# Altium PCB SFPP.PcbDoc (part 2 of 4)
Units mil, origin at the board's own origin, x right, y up, seen from the top; angles counter-clockwise.
Board outline 3543.31 x 4228.35 mil, 8 copper layers (L1_S1, L2_PGND, L3_S2, L4_P1V2, L5_P1V8, L6_S3, L7_PGND, L8_S4), stack 62.6 mil thick; 267 components, 253 nets, 1402 pads, 830 vias.
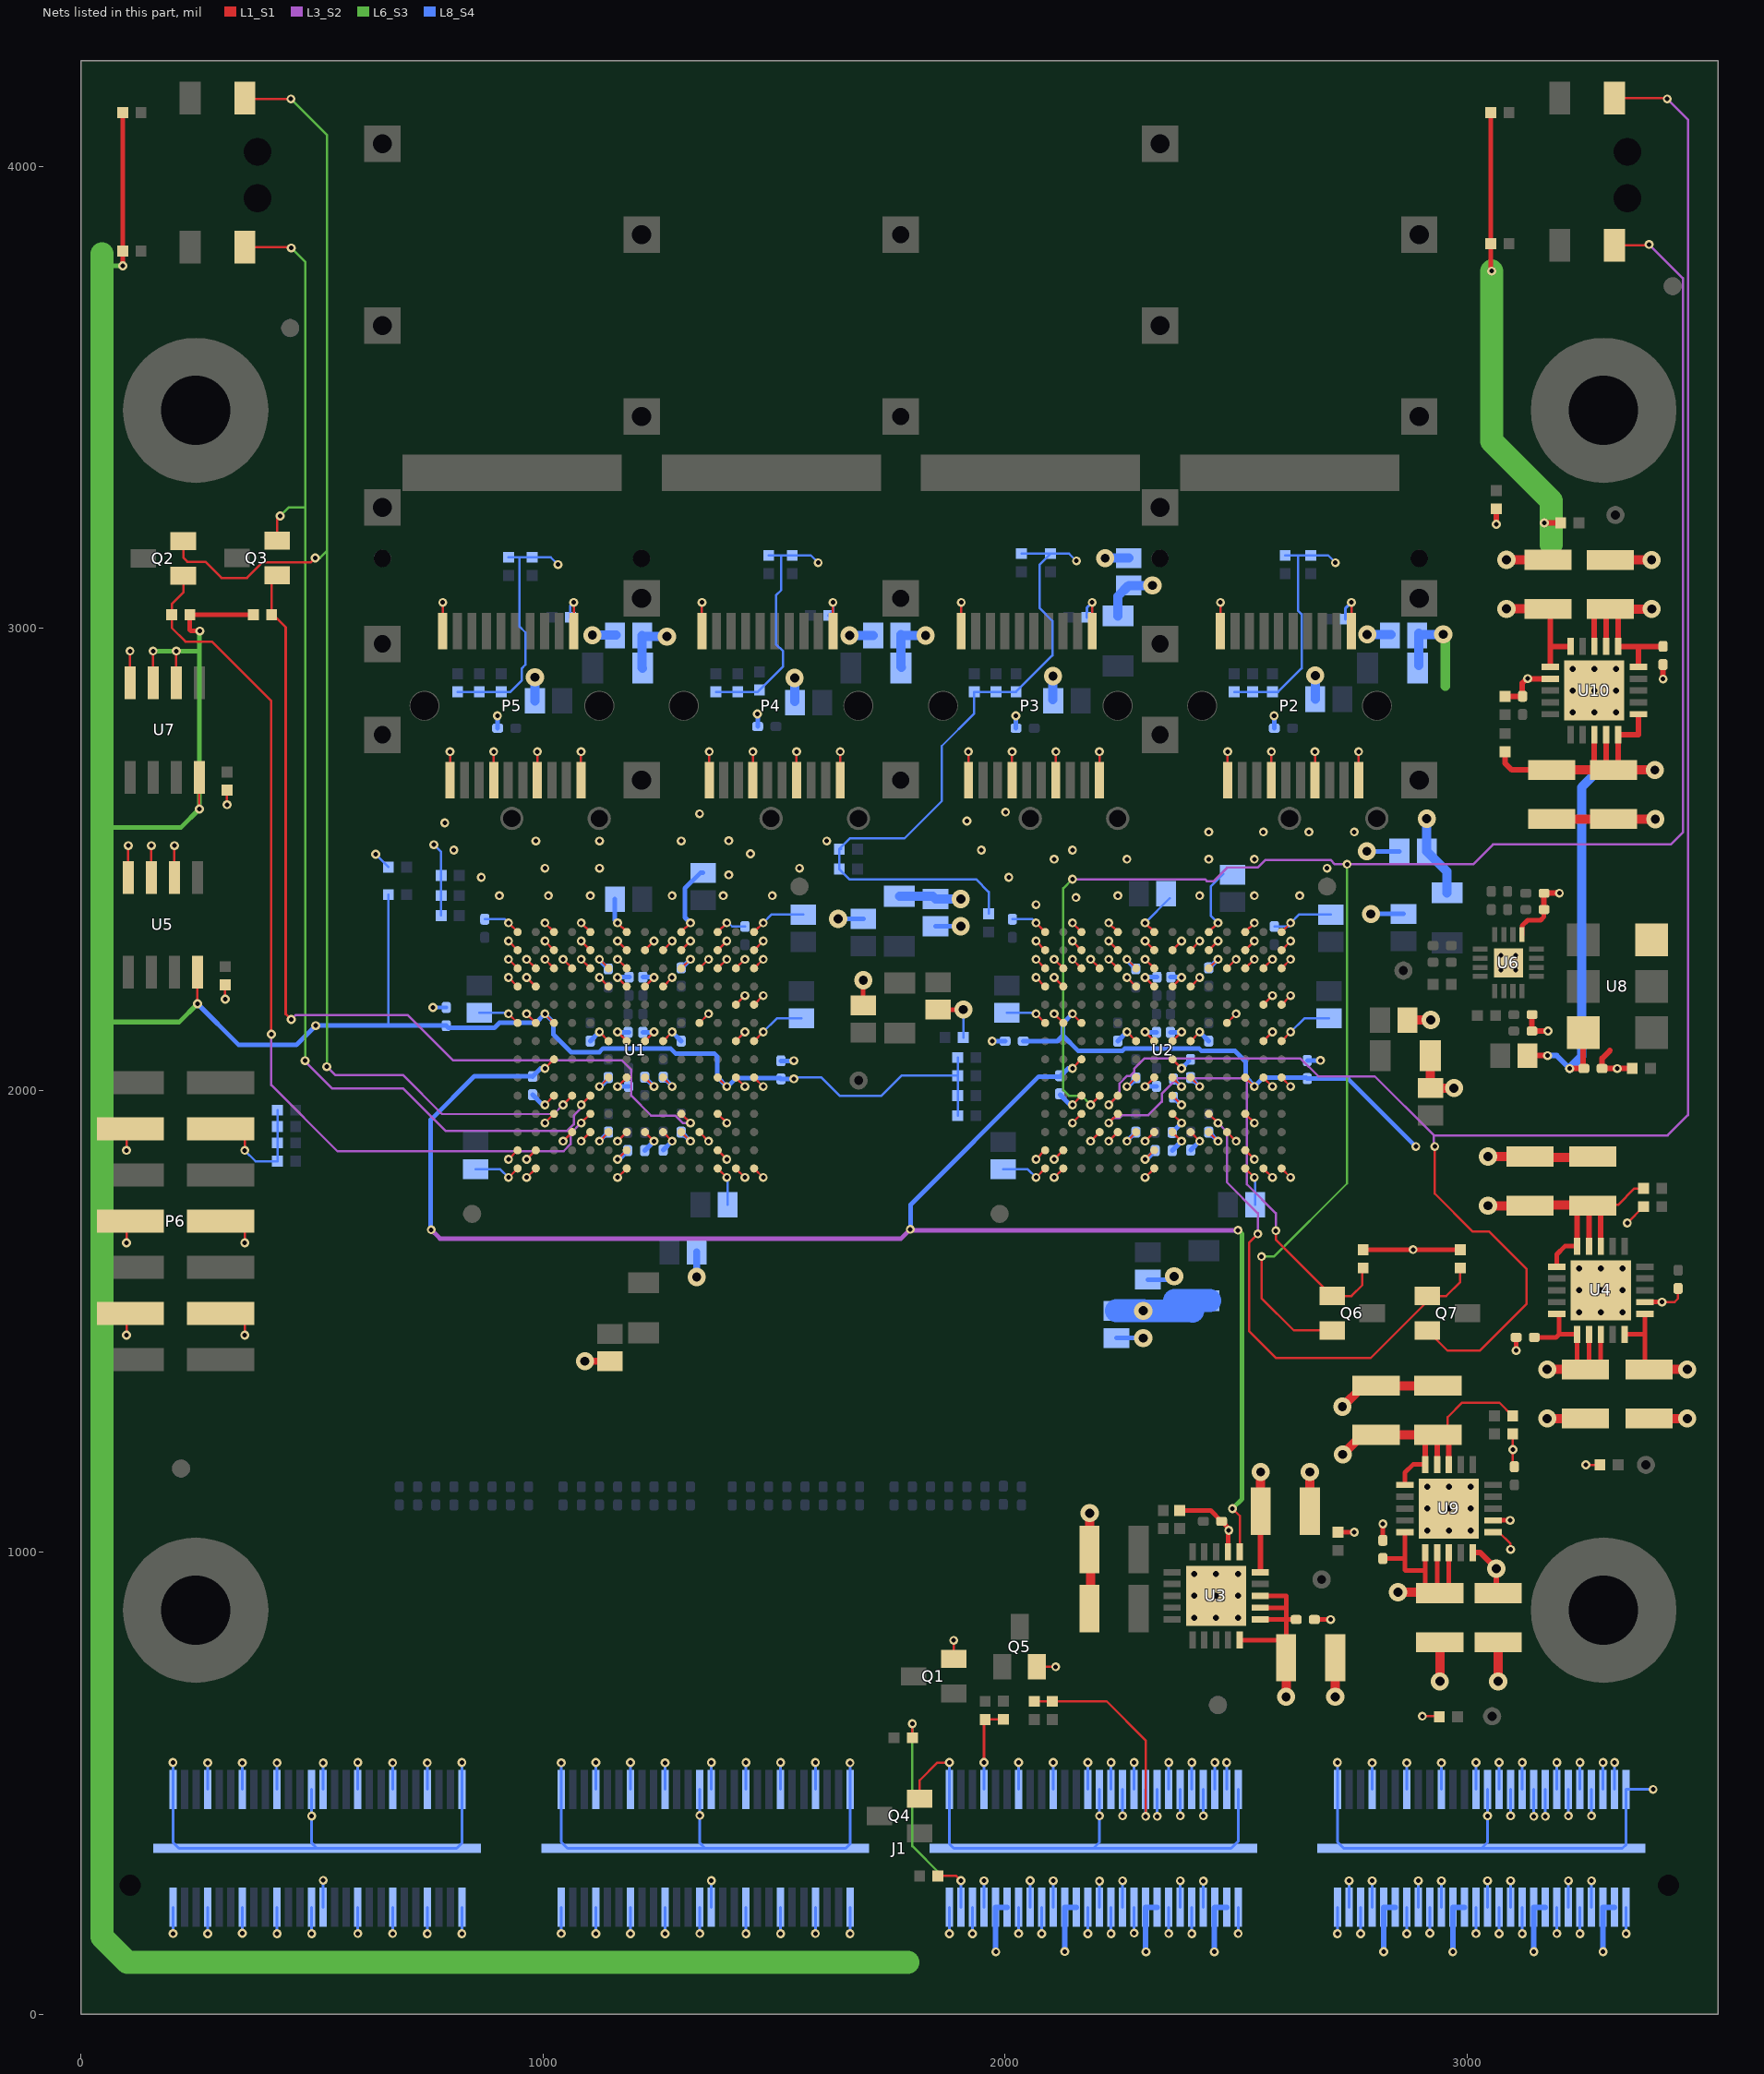
[diagram p8: the nets of this part, all layers, seen from the top]

## Via types
v1: diameter 19.4, hole 10, L1_S1 to L8_S4, tented both sides, 408 vias
v2: diameter 19.4, hole 10, L1_S1 to L8_S4, 170 vias
v3: diameter 19.4, hole 10, L1_S1 to L8_S4, tented bottom, 153 vias
v4: diameter 39.37, hole 19.68, L1_S1 to L8_S4, 44 vias
v5: diameter 25.98, hole 12.99, L1_S1 to L8_S4, tented top, 36 vias
v6: diameter 39.37, hole 19.68, L1_S1 to L8_S4, tented bottom, 11 vias
v7: diameter 20, hole 10, L1_S1 to L8_S4, tented top, 4 vias
v8: diameter 39.37, hole 19.68, L1_S1 to L8_S4, tented top, 2 vias
v9: diameter 19.4, hole 10, L1_S1 to L8_S4, tented top, 1 vias
v10: diameter 39.37, hole 19.68, L1_S1 to L8_S4, tented both sides, 1 vias

## Nets (pads, with @x,y where several pads share a name; then routed paths per layer and width w, separated by ;. In a path a pad name is that pad's centre, name@x,y a point inside that pad or via, vN(x,y) a via of type N, cw(c..) or ccw(c..) an arc to the next point about the centre after c; other vN are vias at no path point) (continued)
1V2_1: C42.2 C58.2 C100.2 C101.2 C102.2 C103.2 C126.2 L4.1 L6.1 R45.2 U2.H4 U2.H5 U2.H7 U9.1 U9.18 U9.19 U9.20 | length 1181
  L1_S1 w5: U2.H4@2362.2,1948.82 v1(2381.89,1929.13) ; U2.H5@2362.2,1988.19 v1(2381.89,1968.5) ; U2.H7@2362.2,2066.93 v1(2381.89,2047.24) ; C42.2@2960.63,1259.84 2957.68,1262.8 2957.68,1292.32 2989.35,1324 3069.7,1324 R45.2@3098.43,1295.28
  L1_S1 w10: U9.1@2865.16,1145.67 2865.16,1172.24 2882.87,1189.96 U9.20@2909.45,1189.96
  L1_S1 w12: U9.20@2909.45,1189.96 C42.2@2909.45,1256.18 ; U9.19@2935.04,1189.96 C42.2@2935.04,1259.84 ; U9.18@2960.63,1189.96 C42.2@2960.63,1259.84
  L1_S1 w19.68: L6.1@2920.61,2072.13 C103.2@2920.61,2004.53 v8(2971.54,2004.53)
  L1_S1 w20: v4(2730.76,1211.76) C126.2@2772,1253 ; C126.2@2803.15,1253.94 C42.2@2923.23,1253.94
  L8_S4 w10: C101.2@2361.73,1908.69 2381.89,1928.84 v1(2381.89,1929.13) ; C100.2@2364.33,1984.94 v1@2380.77,1968.5 ; v1@2381.33,2046.69 v1(2381.89,2047.24) C102.2@2398.33,2063.69
  L8_S4 w50: C58.2@2241,1522.53 v4(2298.89,1522.53) L4.1@2406,1522 ; 2367.19,1544.35 L4.1@2443,1544.35
1V5: C34.2 C35.2 C60.2 C91.2 C124.2 C125.2 J1.C27 J1.C28 J1.C31 J1.C32 J1.D27 J1.D28 J1.D31 J1.D32 R7.2 R8.2 U1.C7 U2.C7 U3.5 U3.6 U3.7 U3.8 U3.11 U9.5 U9.6 U9.7 U9.8 U9.11 | length 5626.5
  L1_S1 w5: v1(1003.94,2047.24) U1.C7@1023.62,2066.93 ; R7.2@2062.99,677.17 R8.2@2102.36,677.17 2219.83,677.17 2304.29,592.71 v1(2304.29,428.29) ; v1(2145.67,2047.24) U2.C7@2165.35,2066.93 ; v2(2492.13,1094.49) 2507.87,1078.74 U3.11@2507.87,1000.98 ; U9.11@3056.1,1043.31 3068.69,1043.31 3094,1018 v2@3094,1005
  L1_S1 w10: U3.5@2507.87,810.04 C34.2@2608.27,810.04 ; U3.6@2552.17,854.33 2608.27,854.33 ; U3.7@2552.17,879.92 2608.27,879.92 ; U3.8@2552.17,905.51 2608.27,905.51 2608.27,879.92 ; C34.2@2608.27,771.65 2608.27,854.33 ; C34.2@2624.02,787.4 C34.2@2624.02,816.93 ; C35.2@2629.92,854.33 2608.27,854.33 ; C125.2@2817.63,986.31 2863.84,986.31 ; U9.5@2865.16,1043.31 2865.16,961.84 2866.37,960.63 2909.45,960.63 ; C124.2@2909.45,913.39 U9.6@2909.45,999.02 ; C124.2@2935.04,913.39 U9.7@2935.04,999.02 ; C124.2@2960.63,913.39 U9.8@2960.63,999.02 ; 2608.27,854.33 2608.27,879.92
  L1_S1 w20: C34.2@2606.3,773.62 C34.2@2608.27,771.65 v4(2608.27,687.01) ; v4(2850.39,913.39) C124.2@2935.04,913.39
  L3_S2 w10: v2@764.07,1691.93 v2(758,1698) 777,1679 1775,1679 v2(1795,1699) 1797,1697 v2(2504,1697)
  L6_S3 w10: v2(2492.13,1094.49) 2513,1115.36 2513,1689 2503,1699 2503,1698 v2(2504,1697)
  L8_S4 w6: v1(2304.29,428.29) J1.C27@2304.29,486.5 ; v1(2329.29,428.29) J1.C28@2329.29,486.5 ; J1.C31@2454.29,486.5 v1(2454.29,544.71) ; J1.C32@2479.29,486.5 v1(2479.29,544.71) ; v1(3144.29,428.29) J1.D27@3144.29,486.5 ; v1(3169.29,428.29) J1.D28@3169.29,486.5 ; J1.D31@3294.29,486.5 v1(3294.29,544.71) ; J1.D32@3319.29,486.5 v1(3319.29,544.71)
  L8_S4 w10: v2@757,1698 757,1936 851.69,2030.69 C60.2@976,2030.69 ; C60.2@977.27,2029.69 994.83,2047.25 v1(1003.94,2047.24) ; v2@1796,1698 1796,1752.69 2072.99,2029.69 2119,2029.69 2136.56,2047.24 v1(2145.67,2047.24)
  other v2: 3094,1006
1V8: C43.2 C47.2 C73.2 C94.2 L2.1 L5.1 R5.2 U4.1 U4.18 U4.19 U4.20 | length 950.4
  L1_S1 w5: C73.2@3265.75,1751.97 3326.77,1751.97 3362.2,1787.4 R5.2@3381.89,1787.4
  L1_S1 w10: U4.1@3193.9,1618.11 3193.9,1644.69 3211.61,1662.4 U4.20@3238.19,1662.4
  L1_S1 w12: U4.20@3238.19,1662.4 C73.2@3238.19,1728.62 ; U4.19@3263.78,1662.4 C73.2@3263.78,1732.28 ; U4.18@3289.37,1662.4 C73.2@3289.37,1732.28
  L1_S1 w20: v4(3045.28,1750) C43.2@3135.83,1750 3137.8,1751.97 C73.2@3265.75,1751.97
  L8_S4 w10: C47.2@1843.55,2419.87 C47.2@1849.43,2413.99
  L8_S4 w20: L2.1@1771.39,2419.87 C47.2@1843.55,2419.87 ; C47.2@1849.43,2413.99 v4(1904.14,2413.99) ; v4(2912.53,2587.82) C94.2@2912.53,2517.2 2956.36,2473.37 L5.1@2956.36,2427.09
2V5: C141.2 C145.2 C146.2 L11.1 R67.2 U8.6 U10.1 U10.18 U10.19 U10.20 | length 1614.6
  L1_S1 w12: R67.2@3082,2732.75 3082,2708 3096.85,2693.15 C145.2@3183,2693.15 ; L11.1@3130.59,2074.96 v2(3173.96,2074.96) ; v2(3222,2047) 3222.04,2046.96 C141.2@3252.7,2046.96 3251.18,2048.48 U8.6@3251.18,2125 ; U10.18@3275.32,2769.53 3275.32,2693.83 C146.2@3276,2693.15 ; C146.2@3300.91,2709.24 U10.19@3300.91,2769.53 ; C146.2@3326.5,2702.65 U10.20@3326.5,2769.53 3326.81,2769.21 3370.79,2769.21 U10.1@3370.79,2813.82
  L1_S1 w20: C145.2@3183,2693.15 C146.2@3276,2693.15 ; C146.2@3317,2693.15 v4(3406.15,2693.15)
  L3_S2 w12: v2@3220,2047 v2(3222,2047)
  L8_S4 w12: v2(3173.96,2074.96) 3194.04,2074.96 v2(3222,2047)
  L8_S4 w20: v2(3222,2047) 3248,2073 3248,2656 3285.15,2693.15 v4(3406.15,2693.15)
3V3: C37.2 C39.2 C40.2 C41.2 C69.2 C70.2 C84.2 C92.2 C93.2 C127.2 C132.2 C135.2 C138.2 C142.2 C143.2 C144.2 J1.C3 J1.C4 J1.C7 J1.C8 J1.C11 J1.C12 J1.C15 J1.C16 J1.D3 J1.D4 J1.D7 J1.D8 J1.D11 J1.D12 J1.D15 J1.D16 L7.2 L8.2 L9.2 L10.2 R1.2 R4.2 R14.2 R15.2 R20.2 R21.2 R22.2 R23.2 R24.2 R25.2 R28.2 R29.2 R30.2 R31.2 R32.2 R33.2 R36.2 R37.2 R38.2 R39.2 R41.2 R42.2 R43.2 R44.2 R47.2 R48.2 R49.2 R50.2 R51.2 R57.2 R58.2 R59.2 R60.2 R61.2 R62.2 R63.2 R66.2 R70.2 R71.2 R72.2 R73.2 U1.C9 U1.M6 U2.C9 U2.M6 U3.10 U4.5 U4.6 U4.7 U4.8 U4.10 U4.11 U5.8 U7.2 U7.3 U7.8 U9.10 U10.5 U10.6 U10.7 U10.8 U10.10 U10.11 | length 18895.3
  L1_S1 w5: U7.3@156.1,2881.89 v2(156.1,2950.59) ; U7.2@206.1,2881.89 v2(206.1,2950.59) ; v2(252.17,2187.2) U5.8@252.17,2255.91 ; v2(256.1,2608.46) U7.8@256.1,2677.17 ; v1(1003.94,2165.36) U1.C9@1023.62,2145.67 ; U1.M6@1377.95,2027.56 v1(1397.64,2007.87) ; R14.2@1799.21,598.43 v2(1799.21,628.94) ; v1(2145.67,2165.36) U2.C9@2165.35,2145.67 ; U2.M6@2519.68,2027.56 v1(2539.37,2007.87) ; v2(2903,645) R44.2@2938.8,645 ; v2(3256.89,1188.98) R4.2@3287.4,1188.98
  L1_S1 w10: v2(90.55,3784.55) R37.2@90.55,3816.54 R36.2@90.55,4115.75 ; v2(257,2994) 238.37,2994 235.69,2996.69 R70.2@235.69,3029 R71.2@373.31,3029 ; R1.2@2720.47,1043.31 v2(2755.91,1043.31) ; R72.2@2775,1654.69 R73.2@2985,1654.69 ; R39.2@3051.18,4115.75 R38.2@3051.18,3832.28 3051.18,3774.82 v2(3053,3773) ; C41.2@3145.48,1464.57 3191.92,1464.57 3198.81,1471.46 ; U4.5@3193.9,1515.75 3198.81,1510.83 3198.81,1471.46 ; C39.2@3238.19,1385.83 U4.6@3238.19,1471.46 3198.81,1471.46 ; C39.2@3263.78,1385.83 U4.7@3263.78,1471.46 ; C39.2@3289.37,1385.83 U4.8@3289.37,1471.46 ; U4.10@3340.55,1471.46 3384.84,1471.46 ; U4.11@3384.84,1515.75 3384.84,1471.46 ; C40.2@3385.83,1395.67 3384.84,1396.65 3384.84,1471.46
  L1_S1 w12: U3.10@2552.17,956.69 2553.15,957.68 C37.2@2553.15,1089 ; U9.10@3011.81,999.02 3028.54,999.02 v4(3062.99,964.57) C127.2@3062.99,911.42 ; v2(3167.01,3228.01) R66.2@3202.31,3228 ; U10.11@3179.84,2916.18 3179.84,2959.84 ; C143.2@3179.84,3037.01 3179.84,2959.84 ; U10.10@3223.5,2959.84 3179.84,2959.84 ; U10.8@3275.32,2960.47 3275.32,3029.31 3287.54,3041.54 C142.2@3310,3041.54 ; U10.7@3300.91,2960.47 C142.2@3300.91,3032.44 ; C142.2@3326.5,3025.04 U10.6@3326.5,2960.47 C144.2@3423.79,2960.47 ; U10.5@3370.79,2916.18 3370.79,2960.26
  L1_S1 w20: C37.2@2553.15,1089 v4(2553.15,1173.65) ; v4(3085.15,3041.85) C143.2@3175,3041.85 ; v4(3173.23,1395.67) C39.2@3263.78,1395.67 ; C142.2@3310,3041.54 v4(3399.54,3041.54) ; C40.2@3385.83,1395.67 v4(3476.38,1395.67)
  L6_S3 w5: v2(1799.21,628.94) 1799.21,363.79 1861,302
  L6_S3 w10: 41.34,2147.64 45.28,2147.64 212.6,2147.64 v2(252.17,2187.2) ; 45.28,2568.9 216.54,2568.9 v2(256.1,2608.46) v2@256.1,2994 ; 45.28,3781 48.83,3784.55 v2(90.55,3784.55) ; v2(156.1,2950.59) v2(206.1,2950.59) 255.41,2950.59
  L6_S3 w20: 2952.76,2874.02 v6@2952.76,2992.13
  L6_S3 w50: 45.28,3810 45.28,3781 45.28,2568.9 45.28,2147.64 45.28,167.32 100.39,112.2 1789.37,112.2 ; v2@3053.15,3772.85 3053.15,3404.85 3182,3276 3182,3181
  L8_S4 w5: 665.35,2139.76 R15.2@665.35,2423.5 ; R30.2@814.96,2862.2 929.2,2862.2 954.1,2887.1 954.1,2913.28 962,2921.18 962,2990.76 948.82,3003.94 948.82,3153.54 ; R42.2@925.2,3153.54 948.82,3153.54 ; v2(1032.37,3137.71) 1016.54,3153.54 R41.2@976.38,3153.54 948.82,3153.54 ; R28.2@1374.02,2862.2 1464.57,2862.2 1519.65,2917.29 1519.65,2949.89 1503.94,2965.61 1503.94,3070.87 1515.75,3082.68 1515.75,3157.48 ; R47.2@1488.19,3157.48 1515.75,3157.48 ; v3@1543.31,2027.56 1602.36,2027.56 1641.73,1988.19 1732.28,1988.19 1775.59,2031.5 R58.2@1897.64,2031.5 ; v2(1595.37,3141.64) 1579.53,3157.48 R43.2@1539.37,3157.48 1515.75,3157.48 ; R62.2@1644.77,2522 R62.2@1641.05,2522 ; R63.2@1897.64,1944.88 R57.2@1897.64,1988.19 R58.2@1897.64,2031.5 ; R59.2@1897.64,2070.87 R58.2@1897.64,2031.5 ; R61.2@1964.57,2381.89 1964.57,2429.13 1937.01,2456.69 1663.05,2456.69 R60.2@1641.05,2478.69 R62.2@1641.05,2522 ; R49.2@2035.43,3161.42 R48.2@2098.43,3161.42 ; v2(2154.42,3145.58) 2138.58,3161.42 R48.2@2098.43,3161.42 ; R22.2@2496.06,2862.2 R25.2@2578.74,2862.2 2590.9,2862.2 2641.7,2913 2641.7,3030.3 2634,3038 2634,3156.48 2635,3157.48 ; R51.2@2606.3,3157.48 2699.16,3157.48 v2(2715,3141.64) ; R62.2@1641.05,2522 1664.05,2545 1782,2545 1863,2626 1863,2745 1933.07,2815.07 R20.2@1933.07,2862.2 R24.2@2023.62,2862.2 2102.36,2940.94 2102.36,3015.75 2074.8,3043.31 2074.8,3137.8 R48.2@2098.43,3161.42
  L8_S4 w10: v2(252.17,2187.2) 341.37,2098 466.11,2098 v1(507.87,2139.76) 665.35,2139.76 C70.2@790.38,2139.76 795.47,2134.67 894.51,2134.67 905.51,2145.67 984.25,2145.67 v1(1003.94,2165.36) 1022.64,2146.66 1022.64,2120.21 1060.17,2082.68 1122.05,2082.68 1129.92,2090.55 1275.59,2090.55 1287.4,2078.74 1371.26,2078.74 1376.97,2073.03 1376.97,2028.54 v1(1397.64,2007.87) 1399.61,2007.87 1418.31,2026.57 1512.74,2026.57 1515,2024.31 1542.68,2024.31 v3(1543,2024.63) ; C93.2@2039.37,2106.3 2113.06,2106.3 2125,2118.24 ; v1(2145.67,2165.36) 2125,2144.69 2125,2118.24 ; C92.2@2652,2027 2558.5,2027 v1(2539.37,2007.87) 2539.37,2009.84 2520.67,2028.54 2520.67,2062.01 2497.89,2084.79 2425.2,2084.79 2419.43,2090.55 2259.47,2090.55 2254.42,2085.5 2157.73,2085.5 2125,2118.24 ; C92.2@2654,2025 2742,2025 v2(2889,1878)
  L8_S4 w12: v3(1980,135) 1979.29,135.71 J1.C3@1979.29,231.5 J1.C4@2004.29,231.5 ; v3(2129.29,135.71) J1.C7@2129.29,231.5 J1.C8@2154.29,231.5 ; v3(2305,135) 2304.29,135.71 J1.C11@2304.29,231.5 J1.C12@2329.29,231.5 ; v3(2453,135) 2453,230.21 J1.C15@2454.29,231.5 J1.C16@2479.29,231.5 ; v3(2819.29,135.29) J1.D3@2819.29,231.5 J1.D4@2844.29,231.5 ; v3(2969,135) 2969.29,135.29 J1.D7@2969.29,231.5 J1.D8@2994.29,231.5 ; v3(3144.29,135.29) J1.D11@3144.29,231.5 J1.D12@3169.29,231.5 ; v3(3294.29,135.29) J1.D15@3294.29,231.5 J1.D16@3319.29,231.5
  L8_S4 w20: L7.2@1215.55,2913.39 1214.57,2914.37 C84.2@1214.57,2984.25 1216.82,2982 v6(1268,2982) ; L10.2@1775.59,2915.71 1774.61,2916.69 1774.61,2986.57 1776.86,2984.32 v6(1828.04,2984.32) ; L8.2@2244.09,3026.57 2244.09,3068.9 C132.2@2267.72,3092.52 v6(2318.9,3092.52) ; L9.2@2895,2919 2895,2988.88 2897.25,2986.63 v6(2948.43,2986.63)
  other v2: 2883,1655
GND: C33.1 C34.1 C35.1 C36.1 C37.1 C38.1 C39.1 C40.1 C41.1 C42.1 C43.1 C44.1 C45.1 C46.1 C47.1 C48.1 C49.1 C50.1 C51.1 C52.1 C53.1 C54.1 C55.1 C56.1 C57.1 C58.1 C59.1 C60.1 C61.1 C62.1 C63.1 C64.1 C65.1 C66.1 C67.1 C68.1 C69.1 C70.1 C71.2 C72.2 C73.1 C74.2 C75.2 C76.2 C77.2 C78.2 C79.1 C80.1 C82.1 C83.1 C84.1 C85.1 C86.1 C87.1 C88.1 C89.1 C90.1 C91.1 C92.1 C93.1 C94.1 C95.1 C96.1 C97.1 C98.1 C99.1 C100.1 C101.1 C102.1 C104.1 C105.1 C106.1 C107.1 C108.1 C109.1 C110.1 C111.1 C112.2 C113.2 C114.1 C115.2 C116.2 C117.2 C118.2 C119.2 C120.1 C121.1 C123.1 C124.1 C125.1 C126.1 C127.1 C128.1 C129.1 C130.1 C131.1 C132.1 C133.1 C134.1 C135.1 C136.1 C137.1 C138.1 C141.1 C142.1 C143.1 C144.1 C145.1 C146.1 C147.1 J1.AG1 J1.AG2 J1.AG3 J1.AG4 J1.AG5 J1.AG6 J1.AG7 J1.AG8 J1.AG9 J1.AG10 J1.AG11 J1.AG12 J1.AG13 J1.AG14 J1.AG15 J1.AG16 J1.AG17 J1.AG18 J1.AG19 J1.AG20 J1.AGND J1.BG1 J1.BG2 J1.BG3 J1.BG4 J1.BG5 J1.BG6 J1.BG7 J1.BG8 J1.BG9 J1.BG10 J1.BG11 J1.BG12 J1.BG13 J1.BG14 J1.BG15 J1.BG16 J1.BG17 J1.BG18 J1.BG19 J1.BG20 J1.BGND J1.C1 J1.C2 J1.C5 J1.C6 J1.C9 J1.C10 J1.C13 J1.C14 J1.C25 J1.C26 J1.C29 J1.C30 J1.CG1 J1.CG2 J1.CG3 J1.CG4 J1.CG5 J1.CG6 J1.CG7 J1.CG8 J1.CG9 J1.CG10 J1.CG11 J1.CG12 J1.CG13 J1.CG14 J1.CG15 J1.CG16 J1.CG17 J1.CG18 J1.CG19 J1.CG20 J1.CGND J1.D1 J1.D2 J1.D5 J1.D6 J1.D9 J1.D10 J1.D13 J1.D14 J1.D25 J1.D26 J1.D29 J1.D30 J1.DG1 J1.DG2 J1.DG3 J1.DG4 J1.DG5 J1.DG6 J1.DG7 J1.DG8 J1.DG9 J1.DG10 J1.DG11 J1.DG12 J1.DG13 J1.DG14 J1.DG15 J1.DG16 J1.DG17 J1.DG18 J1.DG19 J1.DG20 J1.DGND P2.1 P2.10 P2.11 P2.14 P2.17 P2.20 P3.1 P3.10 P3.11 P3.14 P3.17 P3.20 P4.1 P4.10 P4.11 P4.14 P4.17 P4.20 P5.1 P5.10 P5.11 P5.14 P5.17 P5.20 P6.3 P6.4 P6.7 P6.8 P6.11 P6.12 Q1.2 Q4.2 Q5.2 R3.1 R6.1 R9.1 R10.1 R11.1 R12.1 R13.1 R16.2 R17.2 R18.1 R19.2 R26.1 R27.1 R34.1 R35.1 R40.1 R46.1 R52.2 R53.2 R54.2 R55.2 R56.2 R65.1 R68.1 U1.A1 U1.A2 U1.A9 U1.A11 U1.A12 U1.A13 U1.A14 U1.B1 U1.B2 U1.B9 U1.B11 U1.B12 U1.C4 U1.C5 U1.C12 U1.C13 U1.C14 U1.D3 U1.D12 U1.E3 U1.E12 U1.E13 U1.E14 U1.F3 U1.F6 U1.F8 U1.F11 U1.F12 U1.G1 U1.G2 U1.G3 U1.G6 U1.G8 U1.G11 U1.G12 U1.G13 U1.G14 U1.H3 U1.H6 U1.H8 U1.H11 U1.H13 U1.J3 U1.J6 U1.J8 U1.J11 U1.J13 U1.K3 U1.K12 U1.K13 U1.K14 U1.L3 U1.L9 U1.L12 U1.M1 U1.M2 U1.M4 U1.M12 U1.M13 U1.M14 U1.N1 U1.N6 U1.N8 U1.N10 U1.N12 U1.P1 U1.P6 U1.P8 U1.P10 U1.P12 U1.P13 U1.P14 U2.A1 U2.A2 U2.A9 U2.A11 U2.A12 U2.A13 U2.A14 U2.B1 U2.B2 U2.B9 U2.B11 U2.B12 U2.C4 U2.C5 U2.C12 U2.C13 U2.C14 U2.D3 U2.D12 U2.E3 U2.E12 U2.E13 U2.E14 U2.F3 U2.F6 U2.F8 U2.F11 U2.F12 U2.G1 U2.G2 U2.G3 U2.G6 U2.G8 U2.G11 U2.G12 U2.G13 U2.G14 U2.H3 U2.H6 U2.H8 U2.H11 U2.H13 U2.J3 U2.J6 U2.J8 U2.J11 U2.J13 U2.K3 U2.K12 U2.K13 U2.K14 U2.L3 U2.L9 U2.L12 U2.M1 U2.M2 U2.M4 U2.M12 U2.M13 U2.M14 U2.N1 U2.N6 U2.N8 U2.N10 U2.N12 U2.P1 U2.P6 U2.P8 U2.P10 U2.P12 U2.P13 U2.P14 U3.12 U3.21 U4.12 U4.21 U5.2 U5.3 U5.4 U6.13 U6.17 U7.4 U8.3 U9.12 U9.21 U10.12 U10.21 | length 23325.6
  L1_S1 w5: v2(98.43,1469.68) P6.4@98.43,1513.78 ; v2(98.43,1669.68) P6.8@98.43,1713.78 ; v2(98.43,1869.68) P6.12@98.43,1913.78 ; U5.4@102.17,2460.63 v2(102.17,2529.33) ; U7.4@106.1,2881.89 v2(106.1,2950.59) ; U5.3@152.17,2460.63 v2(152.17,2529.33) ; U5.2@202.17,2460.63 v2(202.17,2529.33) ; v2(312.02,2196.98) R12.1@312.02,2228.28 ; v2(316,2618) R40.1@316,2649.32 ; v2(354.33,1469.68) P6.3@354.33,1513.78 ; v2(354.33,1669.68) P6.7@354.33,1713.78 ; v2(354.33,1869.68) P6.11@354.33,1913.78 ; P5.10@782.95,2993.7 v2(782.95,3055.71) ; P5.11@798.7,2670.87 v2(798.7,2732.87) ; P5.14@893.18,2670.87 v2(893.18,2732.87) ; v1(925.2,1811.02) U1.A1@944.88,1830.71 ; v1(925.2,1850.39) U1.A2@944.88,1870.08 ; v1(925.2,2165.36) U1.A9@944.88,2145.67 ; v1(925.2,2244.1) U1.A11@944.88,2224.41 ; v1(925.2,2283.47) U1.A12@944.88,2263.78 ; v1(925.2,2322.84) U1.A13@944.88,2303.15 ; v1(925.2,2362.21) U1.A14@944.88,2342.52 ; v1(964.57,1811.02) U1.B1@984.25,1830.71 ; v1(964.57,1850.39) U1.B2@984.25,1870.08 ; v1(964.57,2165.36) U1.B9@984.25,2145.67 ; v1(964.57,2244.1) U1.B11@984.25,2224.41 ; v1(964.57,2283.47) U1.B12@984.25,2263.78 ; P5.17@987.67,2670.87 v2(987.67,2732.87) ; v1(1003.94,1929.13) U1.C4@1023.62,1948.82 ; v1(1003.94,1968.5) U1.C5@1023.62,1988.19 ; v1(1003.94,2283.47) U1.C12@1023.62,2263.78 ; v1(1003.94,2322.84) U1.C13@1023.62,2303.15 ; v1(1003.94,2362.21) U1.C14@1023.62,2342.52 ; v1(1043.31,1889.76) U1.D3@1062.99,1909.45 ; v1(1043.31,2283.47) U1.D12@1062.99,2263.78 ; P5.1@1066.41,2993.7 v2(1066.41,3055.71) ; P5.20@1082.16,2670.87 v2(1082.16,2732.87) ; v1(1082.68,1889.76) U1.E3@1102.36,1909.45 ; v1(1082.68,2283.47) U1.E12@1102.36,2263.78 ; v1(1082.68,2322.84) U1.E13@1102.36,2303.15 ; v1(1082.68,2362.21) U1.E14@1102.36,2342.52 ; v1(1122.05,1889.76) U1.F3@1141.73,1909.45 ; v1(1122.05,2007.87) U1.F6@1141.73,2027.56 ; v1(1122.05,2125.99) U1.F8@1141.73,2106.3 ; v1(1122.05,2244.1) U1.F11@1141.73,2224.41 ; v1(1122.05,2283.47) U1.F12@1141.73,2263.78 ; v1(1161.42,1811.02) U1.G1@1181.1,1830.71 ; v1(1161.42,1850.39) U1.G2@1181.1,1870.08 ; v1(1161.42,1889.76) U1.G3@1181.1,1909.45 ; v1(1161.42,2007.87) U1.G6@1181.1,2027.56 ; v1(1161.42,2125.99) U1.G8@1181.1,2106.3 ; v1(1161.42,2244.1) U1.G11@1181.1,2224.41 ; v1(1161.42,2283.47) U1.G12@1181.1,2263.78 ; v1(1161.42,2322.84) U1.G13@1181.1,2303.15 ; v1(1161.42,2362.21) U1.G14@1181.1,2342.52 ; U1.H3@1220.47,1909.45 v1(1240.16,1889.76) ; U1.H6@1220.47,2027.56 v1(1240.16,2007.87) ; U1.H8@1220.47,2106.3 v1(1240.16,2125.99) ; U1.H11@1220.47,2224.41 v1(1240.16,2244.1) ; U1.H13@1220.47,2303.15 v1(1240.16,2322.84) ; U1.J3@1259.84,1909.45 v1(1279.53,1889.76) ; U1.J6@1259.84,2027.56 v1(1279.53,2007.87) ; U1.J8@1259.84,2106.3 v1(1279.53,2125.99) ; U1.J11@1259.84,2224.41 v1(1279.53,2244.1) ; U1.J13@1259.84,2303.15 v1(1279.53,2322.84) ; U1.K3@1299.21,1909.45 v1(1318.9,1889.76) ; U1.K12@1299.21,2263.78 v1(1318.9,2283.47) ; U1.K13@1299.21,2303.15 v1(1318.9,2322.84) ; U1.K14@1299.21,2342.52 v1(1318.9,2362.21) ; U1.L3@1338.58,1909.45 v1(1358.27,1889.76) ; U1.L9@1338.58,2145.67 v1(1358.27,2165.36) ; U1.L12@1338.58,2263.78 v1(1358.27,2283.47) ; P4.10@1343.97,2993.7 v2(1343.97,3055.71) ; P4.11@1359.72,2670.87 v2(1359.72,2732.87) ; U1.M1@1377.95,1830.71 v1(1397.64,1811.02) ; U1.M2@1377.95,1870.08 v1(1397.64,1850.39) ; U1.M4@1377.95,1948.82 v1(1397.64,1929.13) ; U1.M12@1377.95,2263.78 v1(1397.64,2283.47) ; U1.M13@1377.95,2303.15 v1(1397.64,2322.84) ; U1.M14@1377.95,2342.52 v1(1397.64,2362.21) ; U1.N1@1417.32,1830.71 v1(1437.01,1811.02) ; U1.N6@1417.32,2027.56 v1(1437.01,2007.87) ; U1.N8@1417.32,2106.3 v1(1437.01,2125.99) ; U1.N10@1417.32,2185.04 v1(1437.01,2204.73) ; U1.N12@1417.32,2263.78 v1(1437.01,2283.47) ; P4.14@1454.21,2670.87 v2(1454.21,2732.87) ; U1.P1@1456.69,1830.71 v1(1476.38,1811.02) ; U1.P6@1456.69,2027.56 v1(1476.38,2007.87) ; U1.P8@1456.69,2106.3 v1(1476.38,2125.99) ; U1.P10@1456.69,2185.04 v1(1476.38,2204.73) ; U1.P12@1456.69,2263.78 v1(1476.38,2283.47) ; U1.P13@1456.69,2303.15 v1(1476.38,2322.84) ; U1.P14@1456.69,2342.52 v1(1476.38,2362.21) ; P4.17@1548.7,2670.87 v2(1548.7,2732.87) ; P4.1@1627.44,2993.7 v2(1627.44,3055.71) ; P4.20@1643.18,2670.87 v2(1643.18,2732.87) ; Q4.2@1814.96,466.54 1814.96,505.96 1853.71,544.71 v3(1879.29,544.71) ; R11.1@1854.33,299.21 1894.36,299.21 v3(1904.29,289.29) ; Q1.2@1888.68,768.87 v2(1888.68,809.39) ; P3.10@1905,2993.7 v2(1905,3055.71) ; P3.11@1920.74,2670.87 v2(1920.74,2732.87) ; R10.1@1956.69,637.8 R9.1@1995.48,637.8 ; P3.14@2015.23,2670.87 v2(2015.23,2732.87) ; v1(2066.93,1811.02) U2.A1@2086.61,1830.71 ; v1(2066.93,1850.39) U2.A2@2086.61,1870.08 ; v1(2066.93,2165.36) U2.A9@2086.61,2145.67 ; v1(2066.93,2244.1) U2.A11@2086.61,2224.41 ; v1(2066.93,2283.47) U2.A12@2086.61,2263.78 ; v1(2066.93,2322.84) U2.A13@2086.61,2303.15 ; v1(2066.93,2362.21) U2.A14@2086.61,2342.52 ; Q5.2@2068.9,751.97 v2(2109.41,751.97) ; v1(2106.3,1811.02) U2.B1@2125.98,1830.71 ; v1(2106.3,1850.39) U2.B2@2125.98,1870.08 ; v1(2106.3,2165.36) U2.B9@2125.98,2145.67 ; v1(2106.3,2244.1) U2.B11@2125.98,2224.41 ; v1(2106.3,2283.47) U2.B12@2125.98,2263.78 ; P3.17@2109.72,2670.87 v2(2109.72,2732.87) ; v1(2145.67,1929.13) U2.C4@2165.35,1948.82 ; v1(2145.67,1968.5) U2.C5@2165.35,1988.19 ; v1(2145.67,2283.47) U2.C12@2165.35,2263.78 ; v1(2145.67,2322.84) U2.C13@2165.35,2303.15 ; v1(2145.67,2362.21) U2.C14@2165.35,2342.52 ; v1(2185.04,1889.76) U2.D3@2204.72,1909.45 ; v1(2185.04,2283.47) U2.D12@2204.72,2263.78 ; P3.1@2188.46,2993.7 v2(2188.46,3055.71) ; P3.20@2204.21,2670.87 v2(2204.21,2732.87) ; v1(2224.41,1889.76) U2.E3@2244.09,1909.45 ; v1(2224.41,2283.47) U2.E12@2244.09,2263.78 ; v1(2224.41,2322.84) U2.E13@2244.09,2303.15 ; v1(2224.41,2362.21) U2.E14@2244.09,2342.52 ; v1(2263.78,1889.76) U2.F3@2283.46,1909.45 ; v1(2263.78,2007.87) U2.F6@2283.46,2027.56 ; v1(2263.78,2125.99) U2.F8@2283.46,2106.3 ; v1(2263.78,2244.1) U2.F11@2283.46,2224.41 ; v1(2263.78,2283.47) U2.F12@2283.46,2263.78 ; v1(2303.15,1811.02) U2.G1@2322.83,1830.71 ; v1(2303.15,1850.39) U2.G2@2322.83,1870.08 ; v1(2303.15,1889.76) U2.G3@2322.83,1909.45 ; v1(2303.15,2007.87) U2.G6@2322.83,2027.56 ; v1(2303.15,2125.99) U2.G8@2322.83,2106.3 ; v1(2303.15,2244.1) U2.G11@2322.83,2224.41 ; v1(2303.15,2283.47) U2.G12@2322.83,2263.78 ; v1(2303.15,2322.84) U2.G13@2322.83,2303.15 ; v1(2303.15,2362.21) U2.G14@2322.83,2342.52 ; U2.H3@2362.2,1909.45 v1(2381.89,1889.76) ; U2.H6@2362.2,2027.56 v1(2381.89,2007.87) ; U2.H8@2362.2,2106.3 v1(2381.89,2125.99) ; U2.H11@2362.2,2224.41 v1(2381.89,2244.1) ; U2.H13@2362.2,2303.15 v1(2381.89,2322.84) ; U2.J3@2401.57,1909.45 v1(2421.26,1889.76) ; U2.J6@2401.57,2027.56 v1(2421.26,2007.87) ; U2.J8@2401.57,2106.3 v1(2421.26,2125.99) ; U2.J11@2401.57,2224.41 v1(2421.26,2244.1) ; U2.J13@2401.57,2303.15 v1(2421.26,2322.84) ; U2.K3@2440.94,1909.45 v1(2460.63,1889.76) ; U2.K12@2440.94,2263.78 v1(2460.63,2283.47) ; U2.K13@2440.94,2303.15 v1(2460.63,2322.84) ; U2.K14@2440.94,2342.52 v1(2460.63,2362.21) ; P2.10@2466.02,2993.7 v2(2466.02,3055.71) ; U2.L3@2480.31,1909.45 v1(2500,1889.76) ; U2.L9@2480.31,2145.67 v1(2500,2165.36) ; U2.L12@2480.31,2263.78 v1(2500,2283.47) ; P2.11@2481.77,2670.87 v2(2481.77,2732.87) ; U2.M1@2519.68,1830.71 v1(2539.37,1811.02) ; U2.M2@2519.68,1870.08 v1(2539.37,1850.39) ; U2.M4@2519.68,1948.82 v1(2539.37,1929.13) ; U2.M12@2519.68,2263.78 v1(2539.37,2283.47) ; U2.M13@2519.68,2303.15 v1(2539.37,2322.84) ; U2.M14@2519.68,2342.52 v1(2539.37,2362.21) ; U2.N1@2559.06,1830.71 v1(2578.74,1811.02) ; U2.N6@2559.06,2027.56 v1(2578.74,2007.87) ; U2.N8@2559.06,2106.3 v1(2578.74,2125.99) ; U2.N10@2559.06,2185.04 v1(2578.74,2204.73) ; U2.N12@2559.06,2263.78 v1(2578.74,2283.47) ; P2.14@2576.26,2670.87 v2(2576.26,2732.87) ; U2.P1@2598.43,1830.71 v1(2618.11,1811.02) ; U2.P6@2598.43,2027.56 v1(2618.11,2007.87) ; U2.P8@2598.43,2106.3 v1(2618.11,2125.99) ; U2.P10@2598.43,2185.04 v1(2618.11,2204.73) ; U2.P12@2598.43,2263.78 v1(2618.11,2283.47) ; U2.P13@2598.43,2303.15 v1(2618.11,2322.84) ; U2.P14@2598.43,2342.52 v1(2618.11,2362.21) ; P2.17@2670.74,2670.87 v2(2670.74,2732.87) ; P2.1@2749.48,2993.7 v2(2749.48,3055.71) ; P2.20@2765.23,2670.87 v2(2765.23,2732.87) ; R46.1@3099,1253 3099,1188.4 C128.1@3102.36,1185.04 ; v2(3346.46,1712.6) R6.1@3381.89,1748.03 ; v2(3421.74,1541.44) 3421.84,1541.34 3448.82,1541.34 3456.69,1549.21 C44.1@3456.69,1570.87